# Altium PCB Pleiades_Frouf.PcbDoc (part 1 of 12)
Units mil, origin at the board's own origin, x right, y up, seen from the top; angles counter-clockwise.
Board outline 12244.09 x 4515.28 mil, 12 copper layers (TOP, GND1, IN1, GND2, POW1, GND3, POW2, GND4, GND5, IN2, GND6, BOT), stack 63.546 mil thick; 1442 components, 702 nets, 4419 pads, 1756 vias.
Unrouted connection lines stored in the file: 1088.
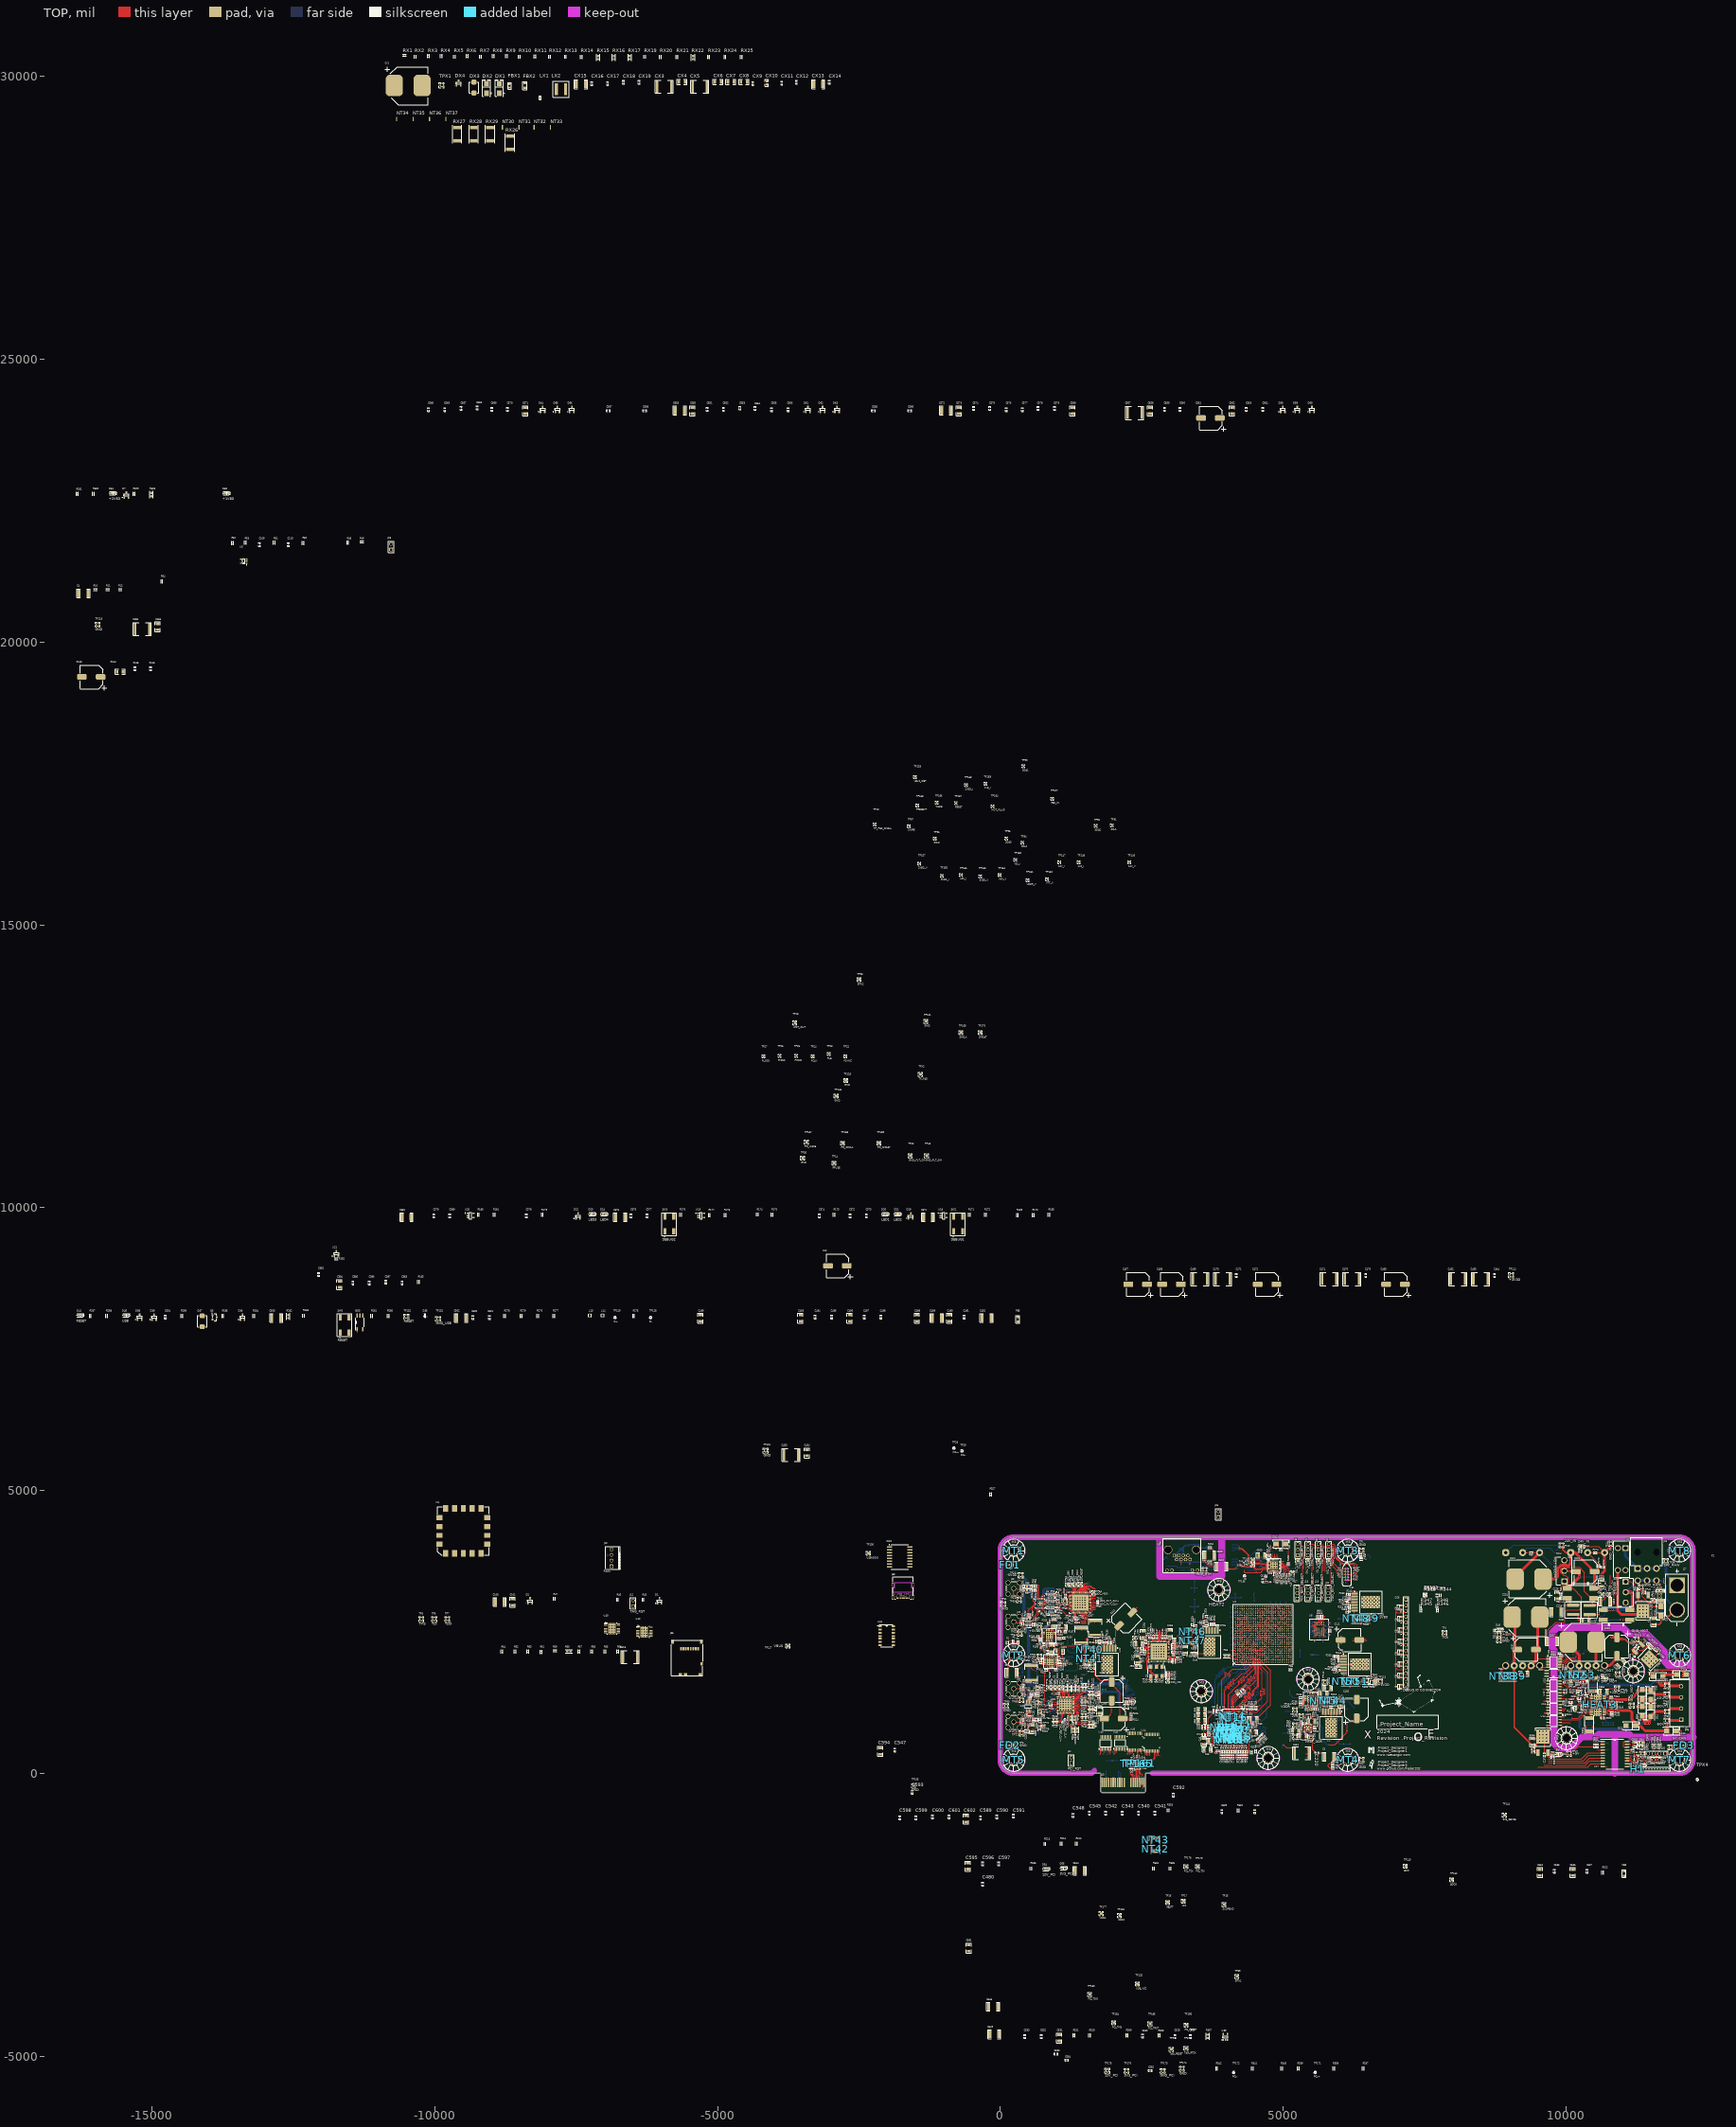
[diagram p0: TOP view]
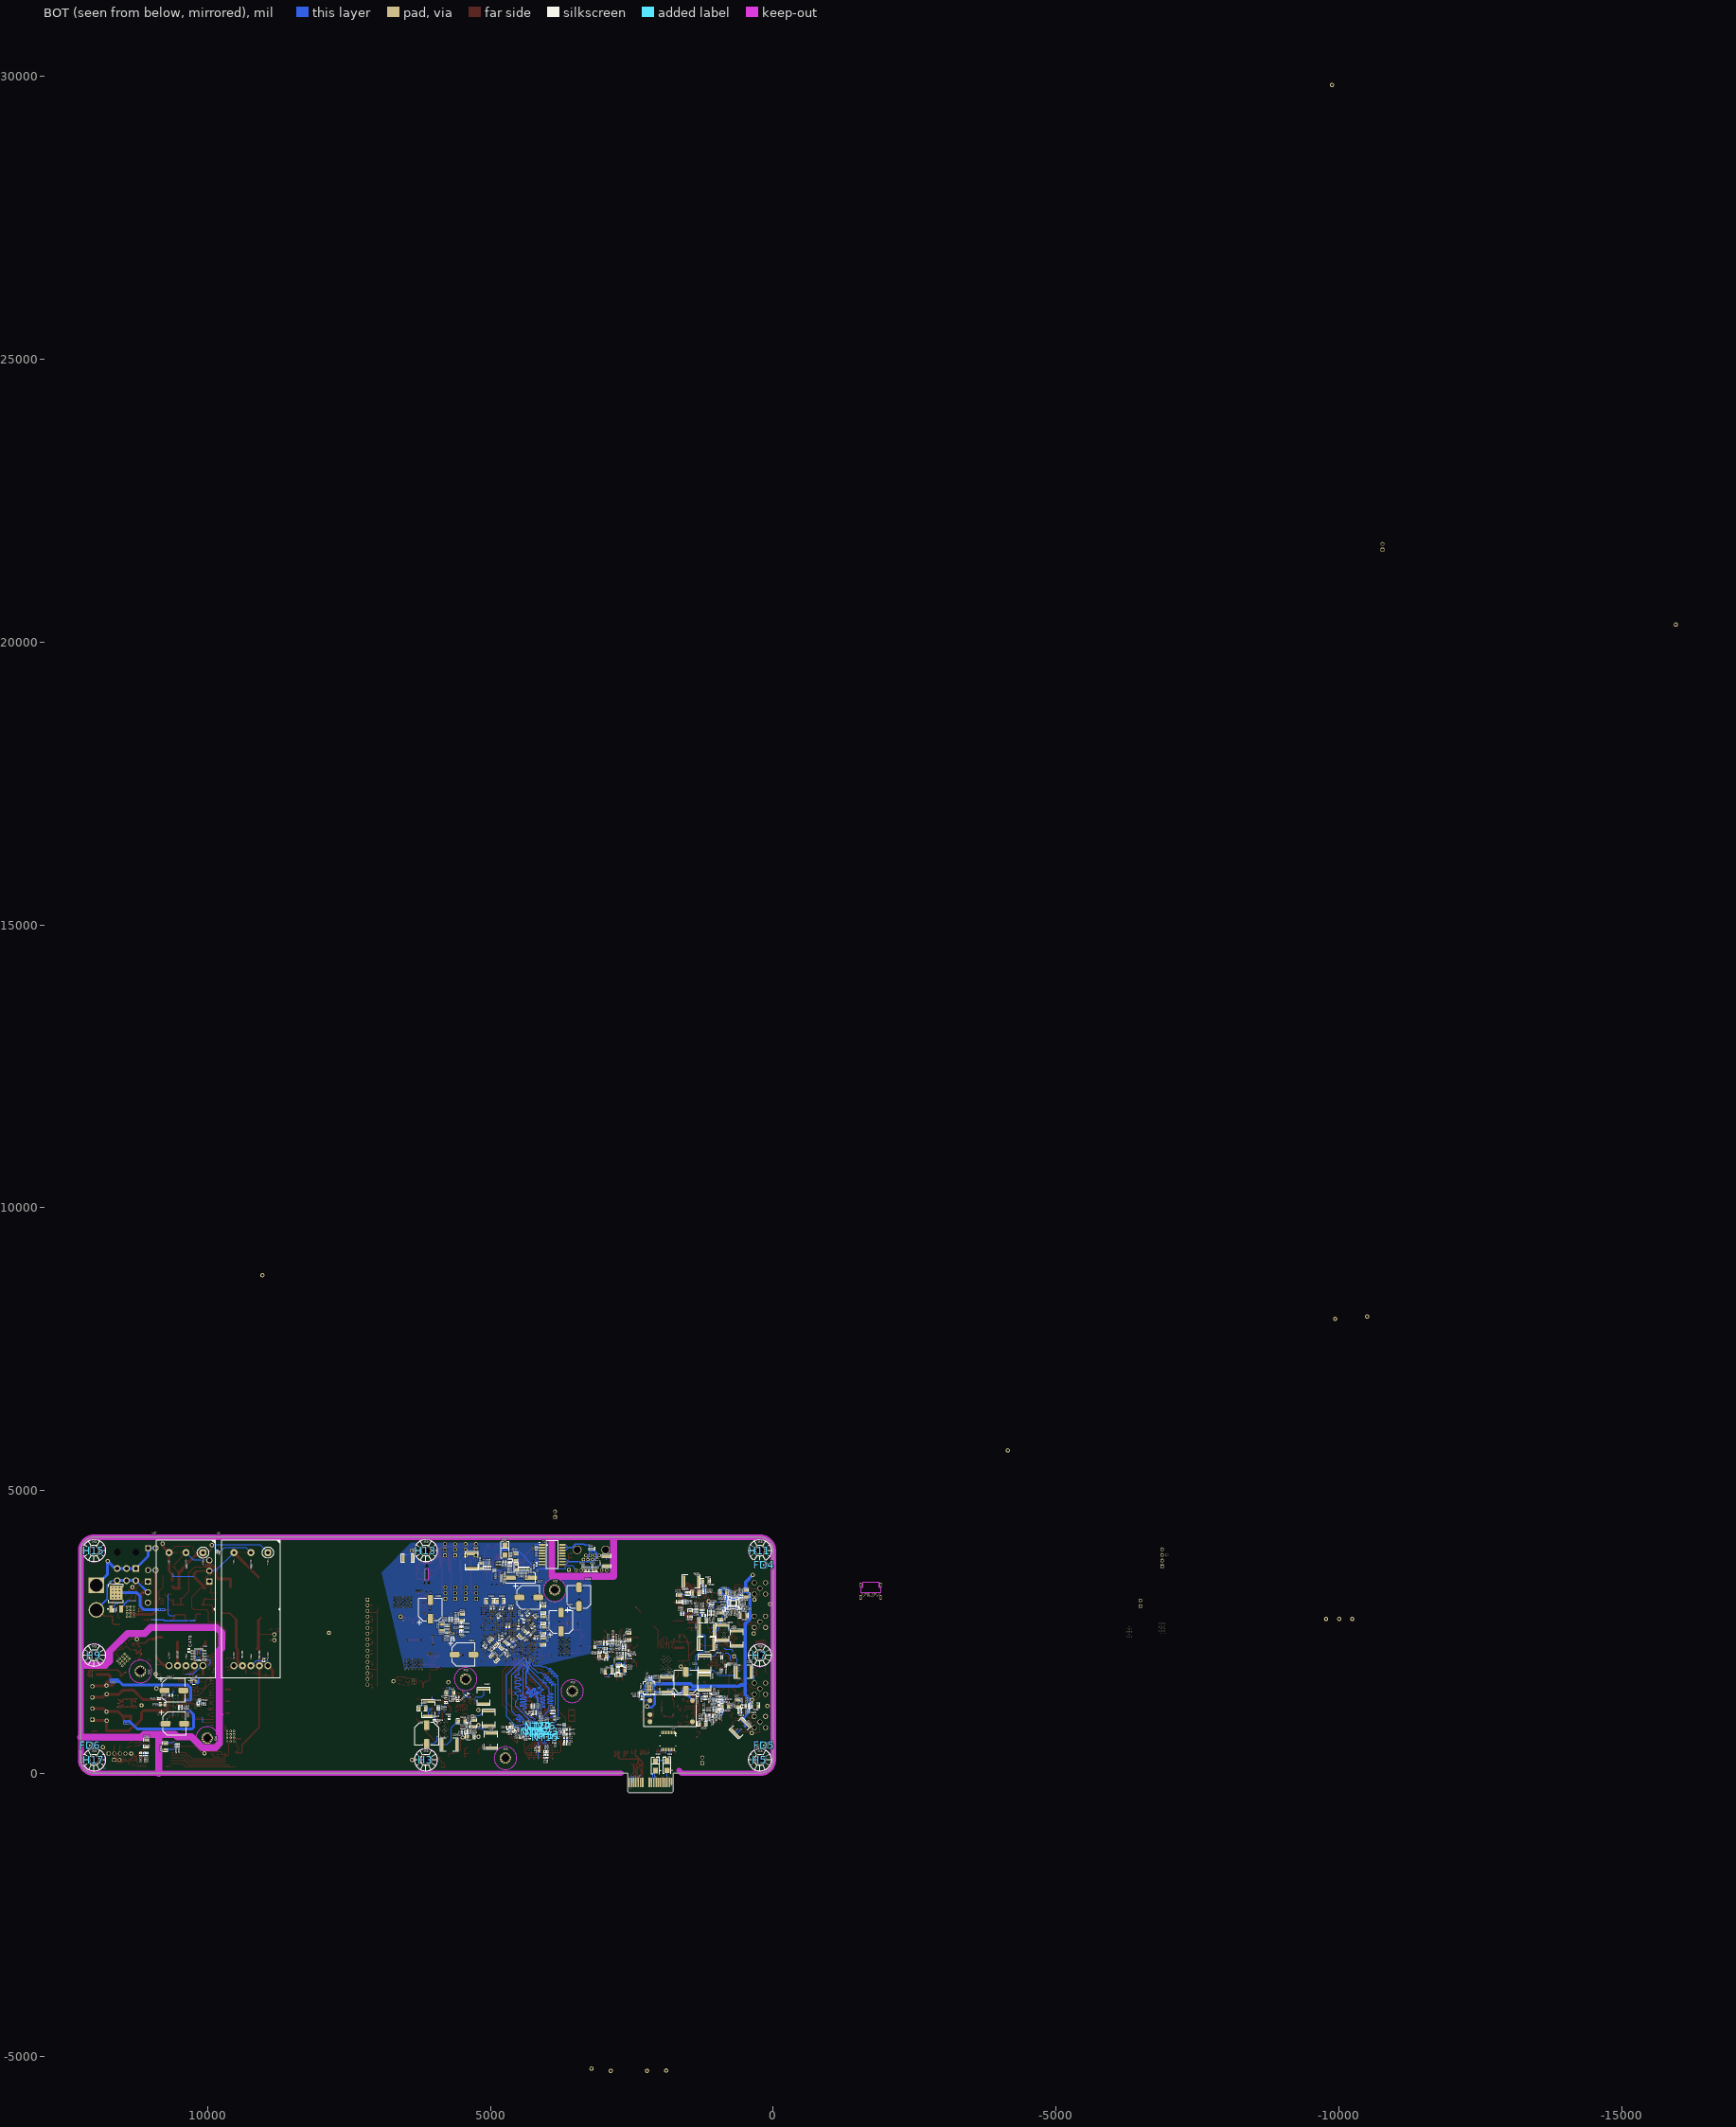
[diagram p1: BOT view, seen from below]
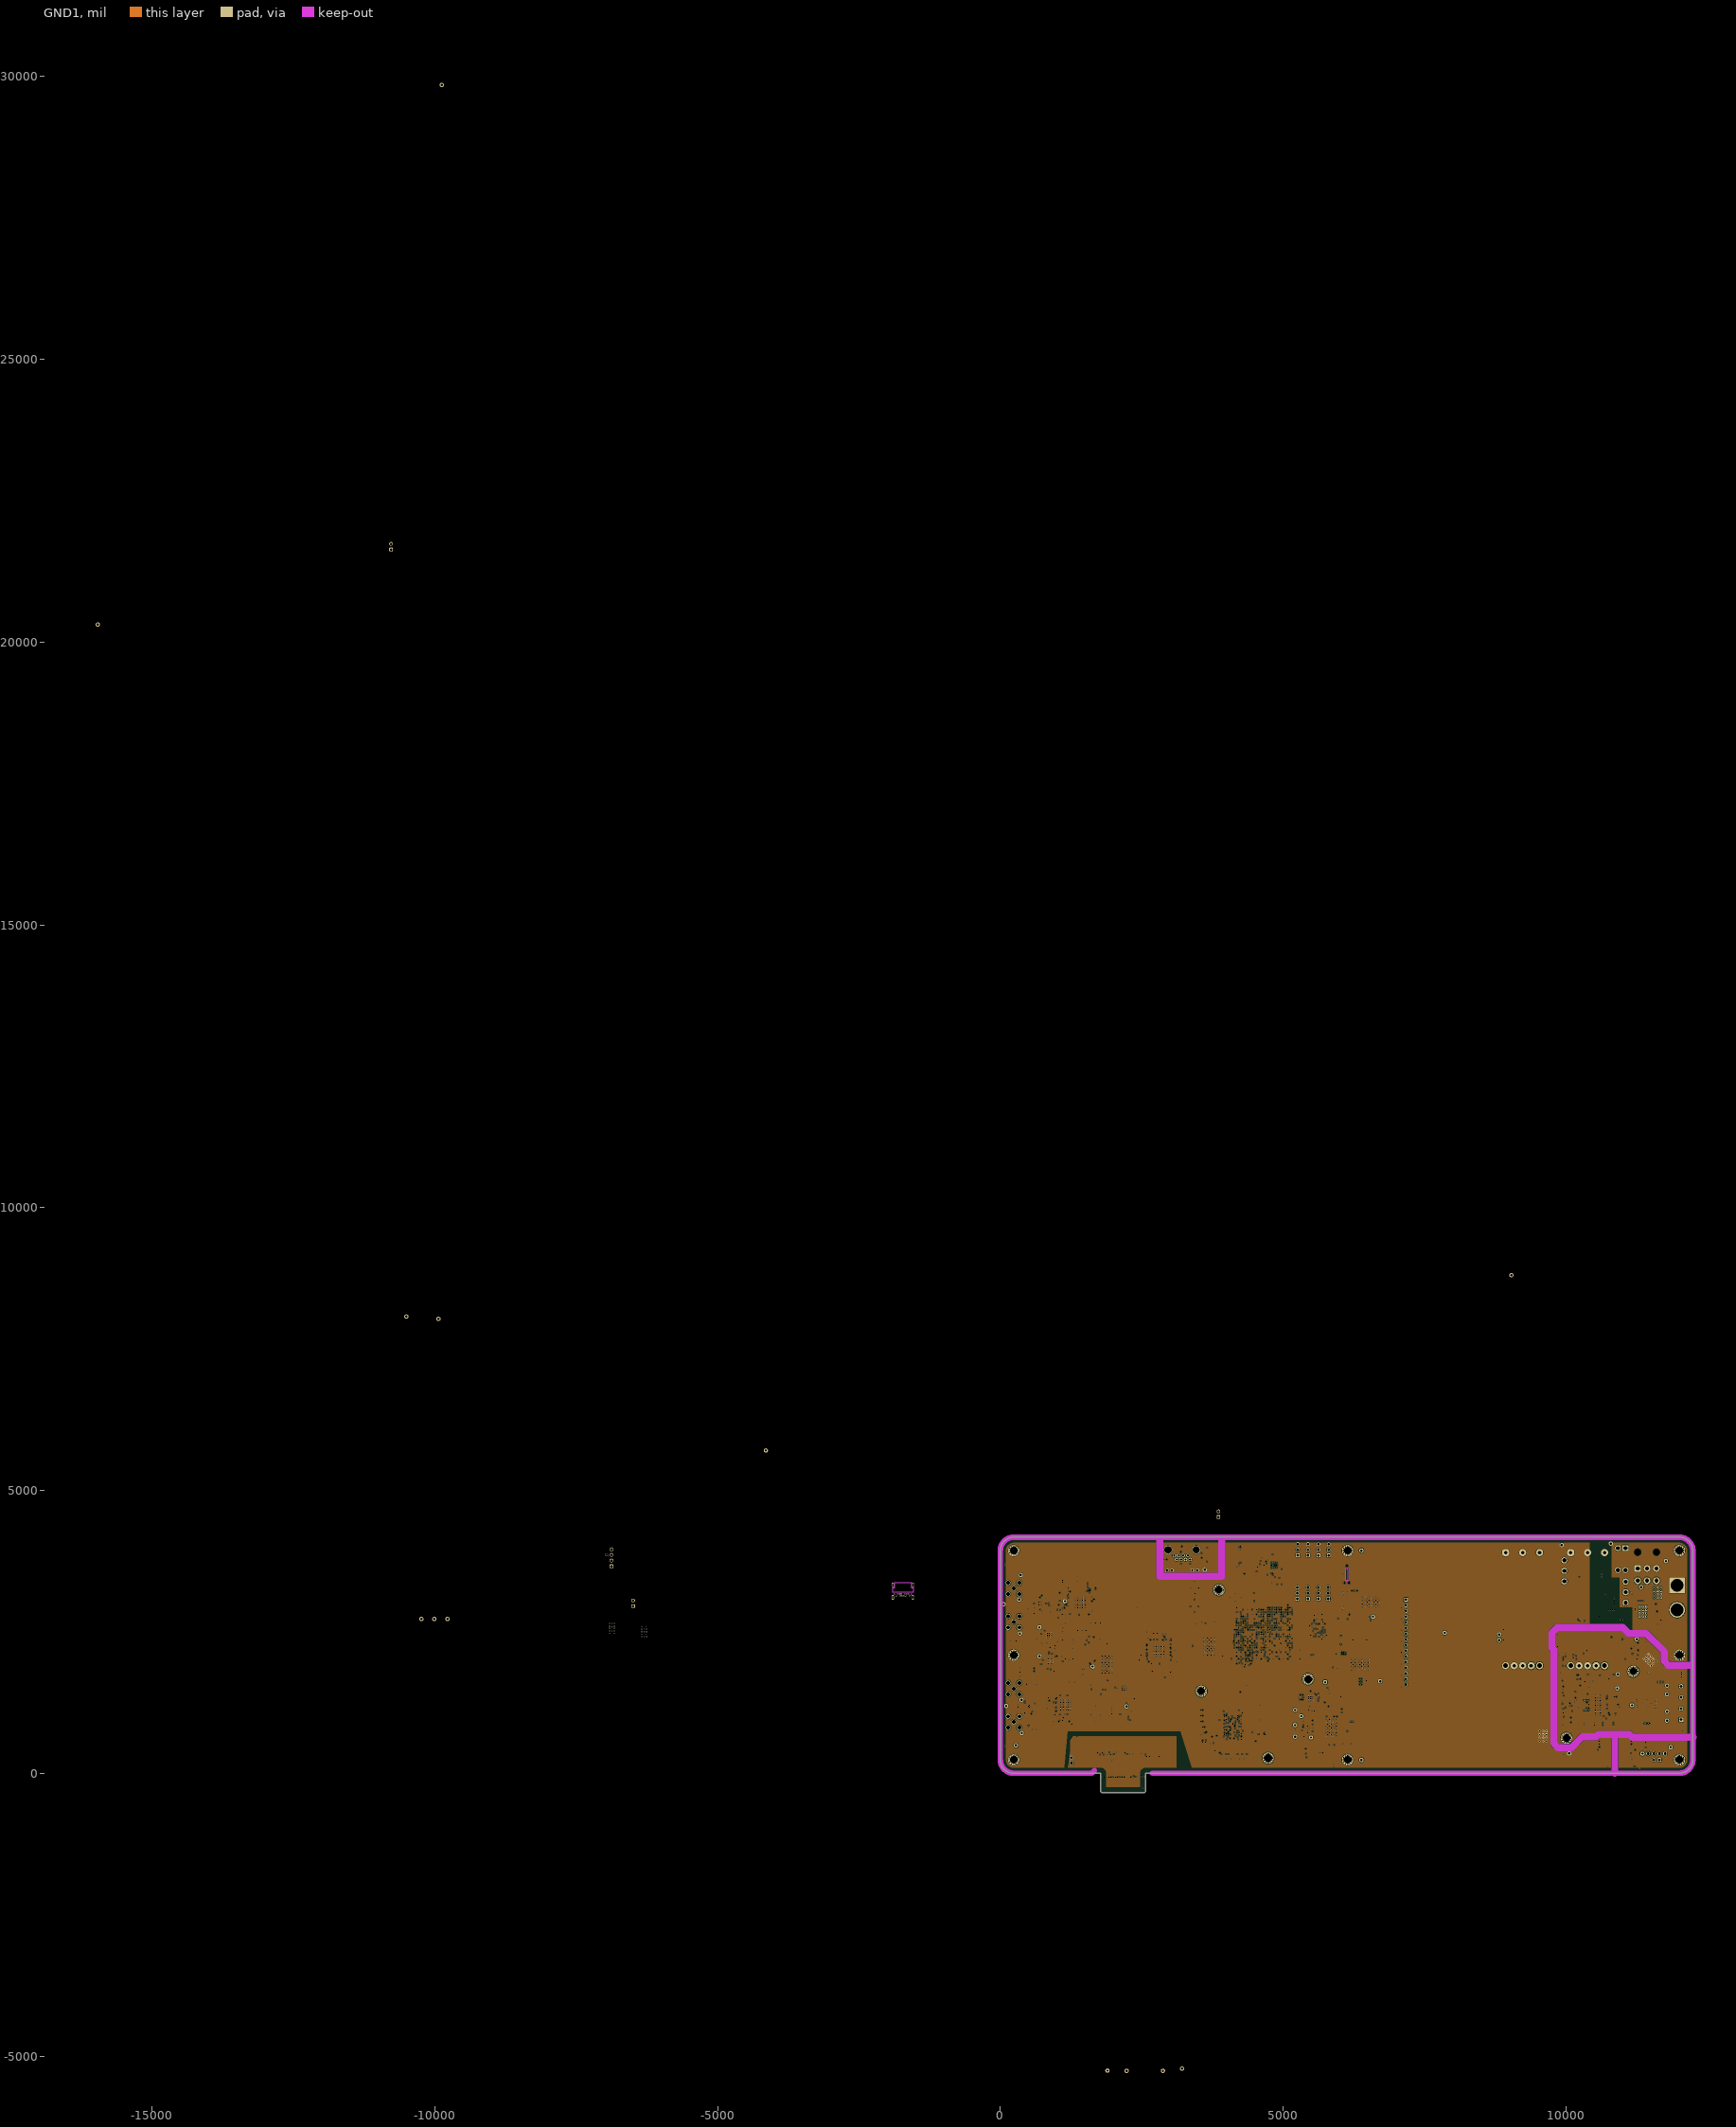
[diagram p2: GND1]
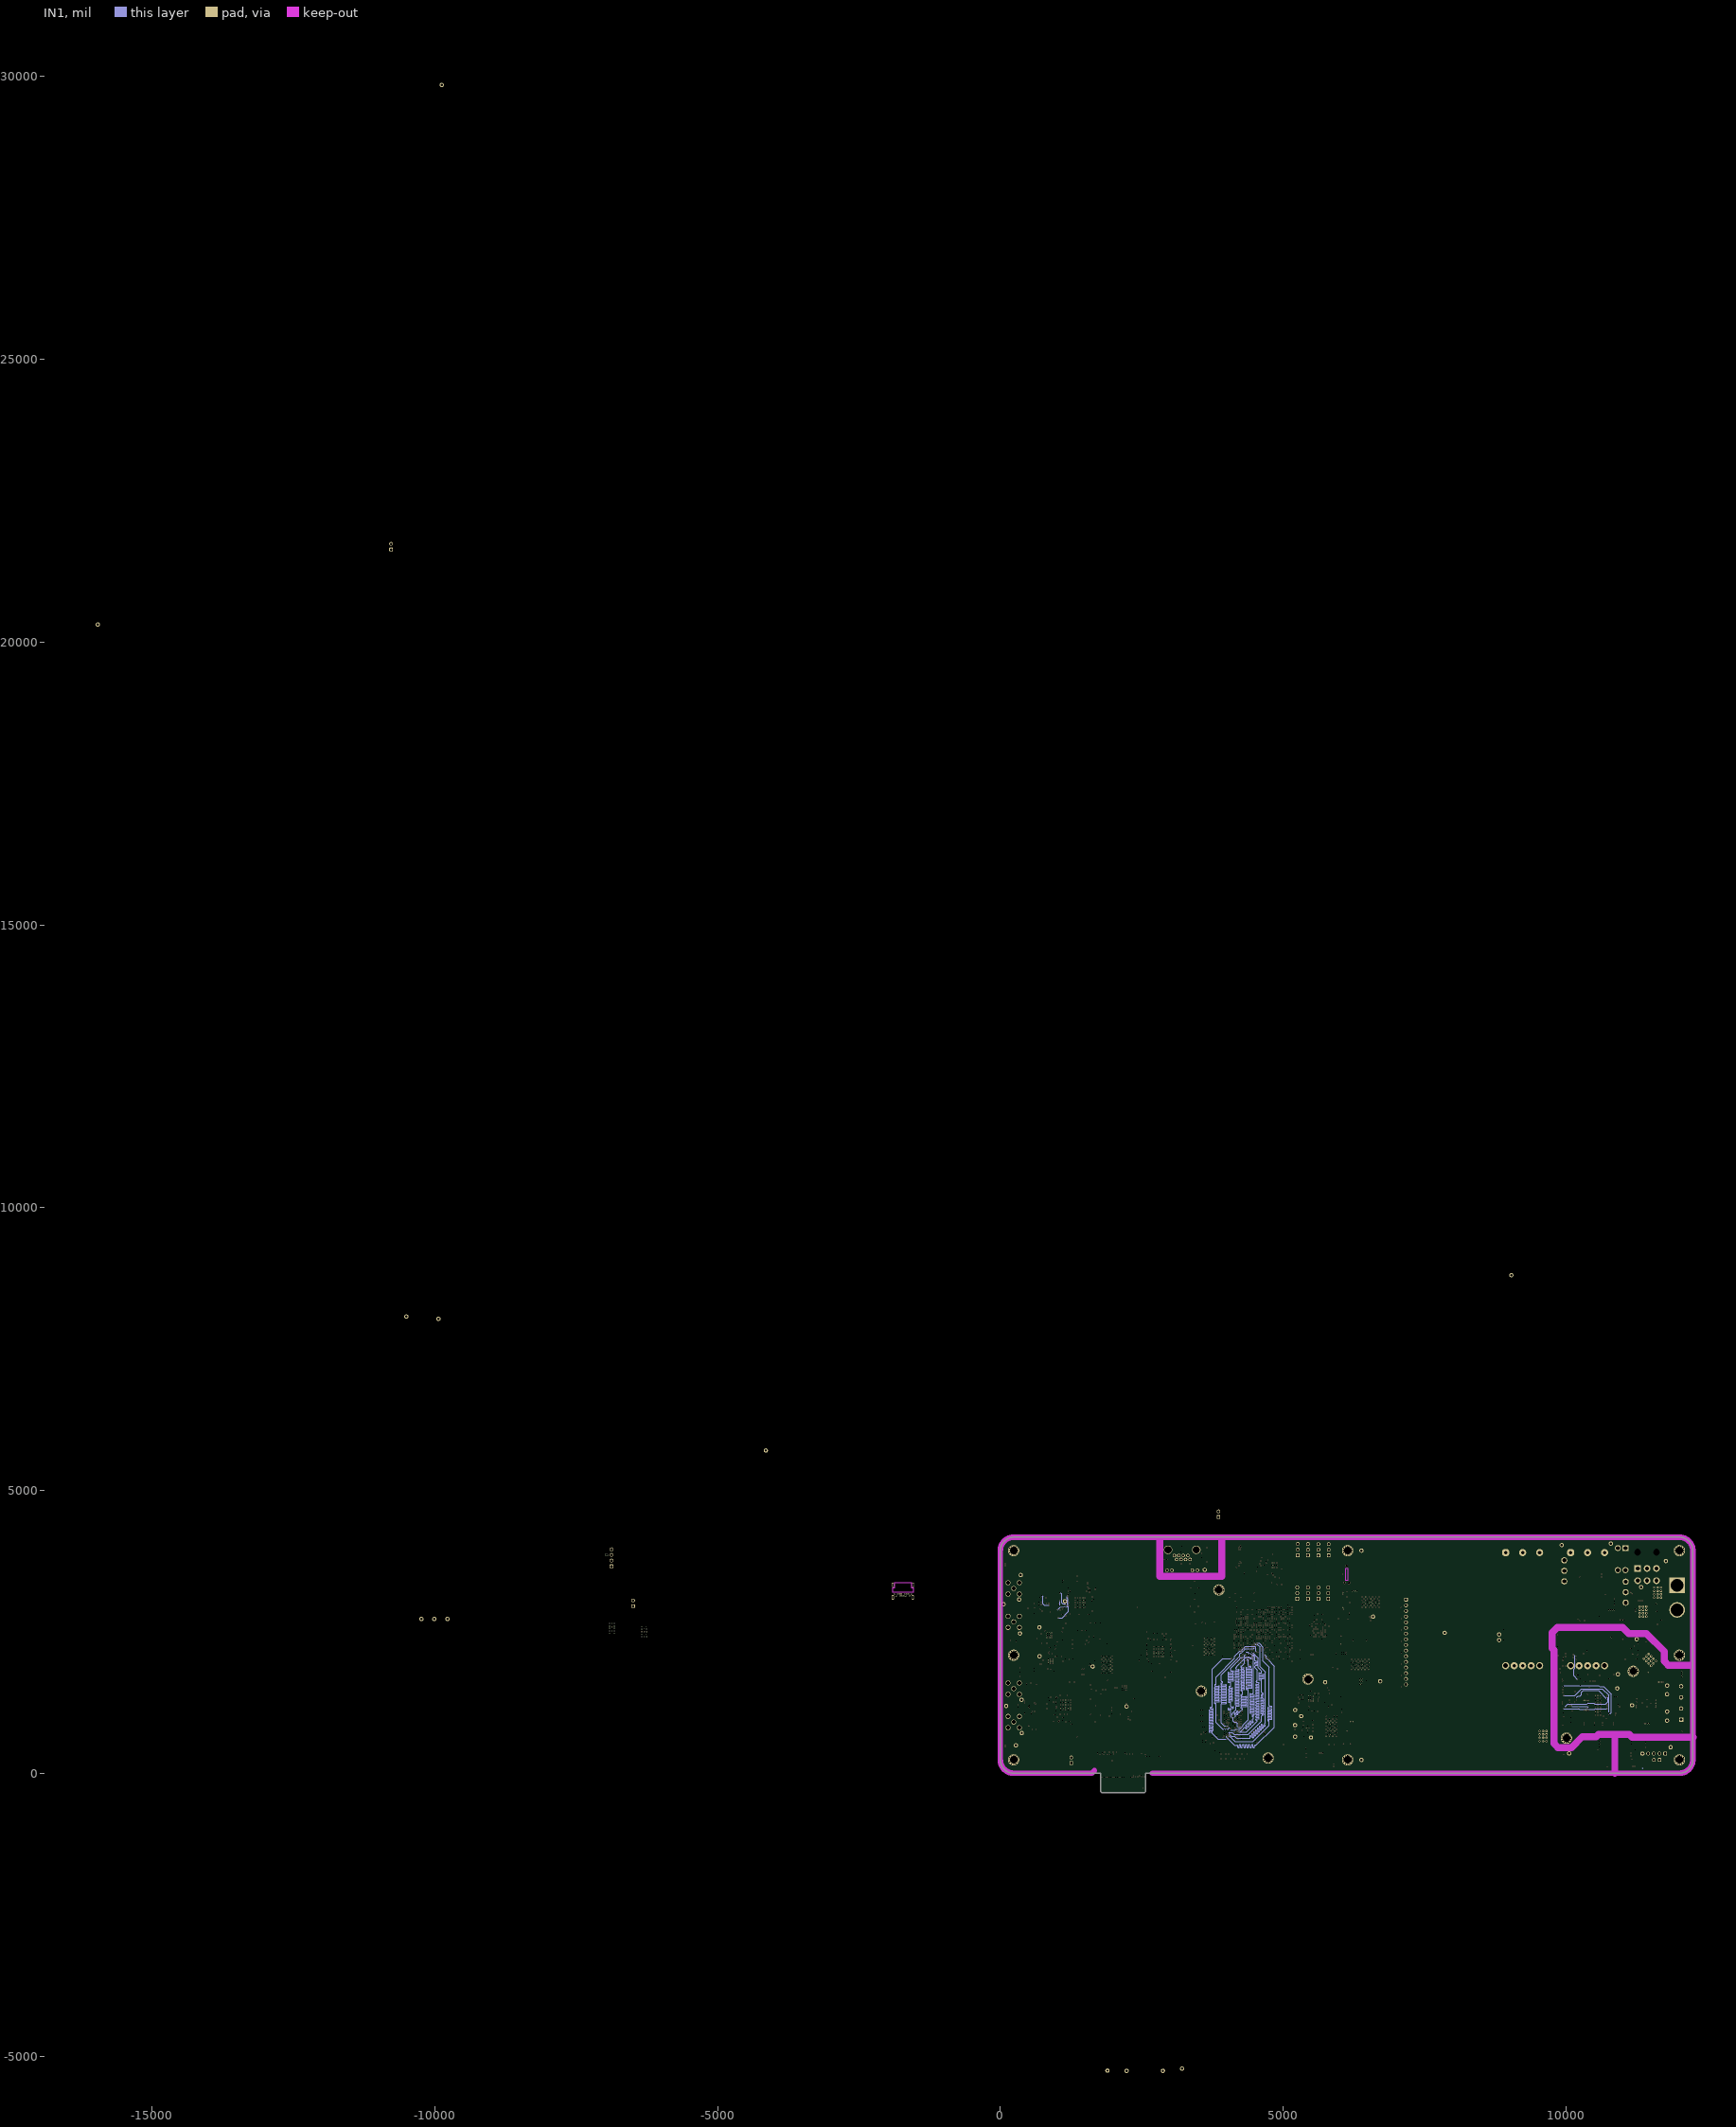
[diagram p3: IN1]